# Altium PCB higgs.PcbDoc (part 19 of 25)
Units mm, origin at the board's own origin, x right, y up, seen from the top; angles counter-clockwise.
Board outline 160 x 160 mm, 15 copper layers (TOP, P1(GND), S1(V), P2(GND), S2(H), P3(GND), S3(V12/V2V5), S4(VDDR), P4(GND), S5(V), P5(GND), S6(H), P6(GND), P1(GND) (Plane1), BOT), stack 3.262 mm thick; 1283 components, 2419 nets, 11066 pads, 5487 vias.
Unrouted connection lines stored in the file: 239.
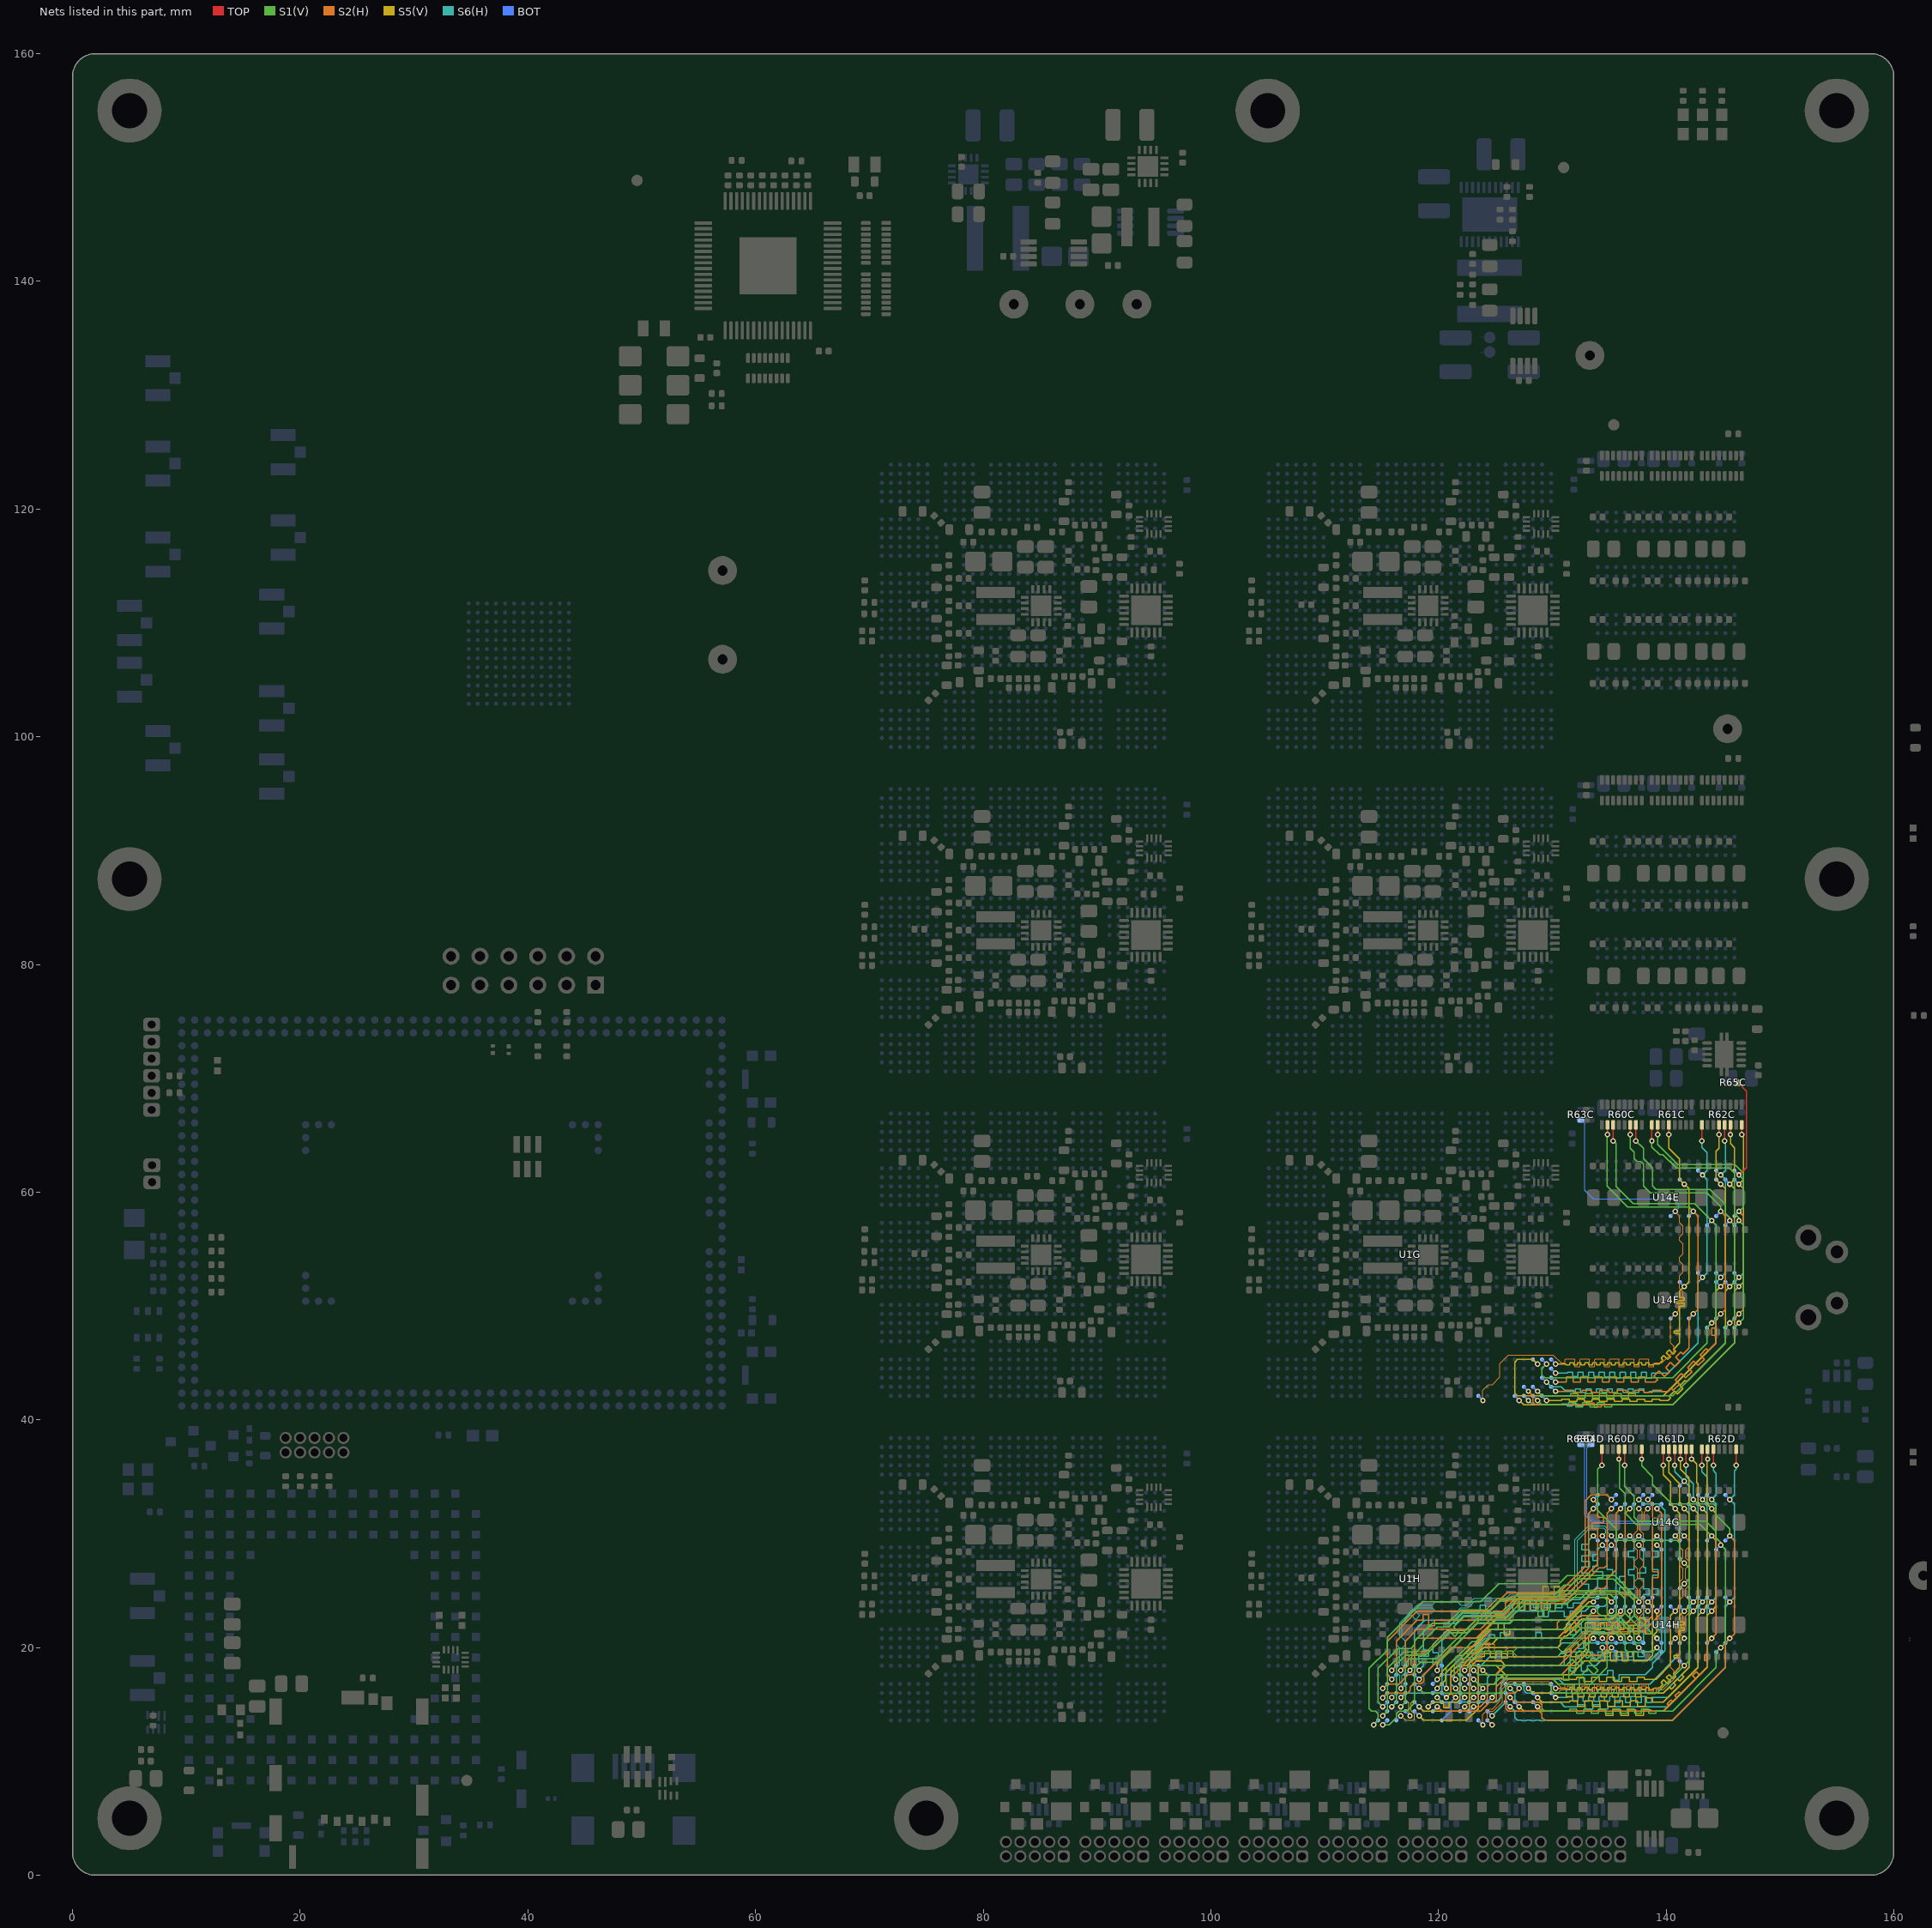
[diagram p32: the nets of this part, all layers, seen from the top]

## Via types
v1: diameter 0.483, hole 0.254, TOP to BOT, tented both sides, 5146 vias
v2: diameter 0.457, hole 0.254, TOP to BOT, tented both sides, 278 vias
v3: diameter 0.5, hole 0.25, TOP to BOT, 50 vias
v4: diameter 0.483/0/0/0/0.483/0/0/0.483 (per signal layer), hole 0.254, TOP to BOT, tented both sides, 7 vias
v5: diameter 0.483, hole 0.254, TOP to BOT, tented bottom, 5 vias
v6: diameter 0.483, hole 0.254, TOP to BOT, 1 vias

## Nets (pads, with @x,y where several pads share a name; then routed paths per layer and width w, separated by ;. In a path a pad name is that pad's centre, name@x,y a point inside that pad or via, vN(x,y) a via of type N, cw(c..) or ccw(c..) an arc to the next point about the centre after c; other vN are vias at no path point) (continued)
IL34_32.TB.G13.C_P: R63C.2 U1G.AD32 U14E.J7 U14F.J7 | length 59.2
  S2(H) w0.089: v1(123.9,41.7) 123.9,42.6 124.403,43.103 124.738,43.103 125.398,43.763 125.398,44.94 126.158,45.7 130.066,45.7 130.766,45 131.125,45 131.125,45.27 131.184,45.33 131.919,45.33 131.978,45.27 131.978,44.67 132.425,44.67 132.425,45.27 132.485,45.33 133.219,45.33 133.279,45.27 133.279,44.67 133.726,44.67 133.726,45.27 133.785,45.33 134.52,45.33 134.579,45.27 134.579,44.67 135.026,44.67 135.026,45.27 135.086,45.33 135.82,45.33 135.88,45.27 135.88,44.67 136.327,44.67 136.327,45.27 136.387,45.33 137.121,45.33 137.181,45.27 137.181,44.67 137.628,44.67 137.628,45.27 137.687,45.33 138.422,45.33 138.481,45.27 138.481,44.67 138.928,44.67 138.928,44.94 138.988,45 139.652,45 140.677,46.025 140.677,46.457 140.4,46.734 140.4,48.9 v1(140.8,49.3) 141.098,49.598 141.098,50.084 141.497,50.482 141.497,50.584 141.499,50.586 141.499,51.236 141.2,51.535 141.2,52.666 141.499,52.964 141.499,53.636 141.2,53.935 141.2,54.266 141.499,54.564 141.499,55.436 141.2,55.734 141.2,56.065 141.499,56.364 141.499,57.036 141.2,57.334 141.2,57.9 v1(140.8,58.3)
  BOT w0.089: R63C.2@132.5,66.355 132.848,66.007 132.848,60.163 133.612,59.4 140.598,59.4 141.098,58.9 141.098,58.598 v1(140.8,58.3) U14E.J7@140.4,57.9 ; U14F.J7@140.4,48.9 v1(140.8,49.3)
  BOT w0.102: U1G.AD32@123.5,42.1 v1(123.9,41.7)
IL34_32.TB.G13.D0_N: R62C.1 U1G.AM29 U14E.M2 U14F.M2 | length 42.9
  TOP w0.102: v1(143.15,64.5) R62C.1@143.15,65.905
  S6(H) w0.102: v1(130.3,44.1) 131.331,44.1 131.331,44.195 131.794,44.195 131.794,43.785 132.257,43.785 132.257,44.195 132.72,44.195 132.72,43.785 133.183,43.785 133.183,44.195 133.646,44.195 133.646,43.785 134.109,43.785 134.109,44.195 134.572,44.195 134.572,43.757 135.035,43.757 135.035,44.195 135.498,44.195 135.498,43.66 135.961,43.66 135.961,44.195 136.424,44.195 136.424,43.66 136.887,43.66 136.887,44.195 137.35,44.195 137.35,43.66 137.813,43.66 137.813,44.195 138.276,44.195 138.276,43.66 138.739,43.66 138.739,44.1 140.166,44.1 142.8,46.734 142.8,52.1 v1(143.2,52.5) 143.6,52.9 143.6,61.1 v1(143.2,61.5) 143.6,61.9 143.6,63.484 143.15,63.934 v1(143.15,64.5)
  BOT w0.102: U1G.AM29@129.9,44.5 v1(130.3,44.1) ; U14F.M2@142.8,52.9 v1(143.2,52.5) ; U14E.M2@142.8,61.9 v1(143.2,61.5)
IL34_32.TB.G13.D0_P: R61C.4 U1G.AM28 U14E.K3 U14F.K3 | length 43.2
  TOP w0.102: v1(140.25,65.05) R61C.4@140.25,65.905
  S5(V) w0.102: v1(130.3,44.9) 131.199,44.9 131.199,44.805 131.532,44.805 131.532,44.995 131.865,44.995 131.865,44.805 132.198,44.805 132.198,44.995 132.531,44.995 132.531,44.805 132.864,44.805 132.864,44.995 133.197,44.995 133.197,44.805 133.53,44.805 133.53,44.995 133.863,44.995 133.863,44.805 134.196,44.805 134.196,44.995 134.529,44.995 134.529,44.805 134.862,44.805 134.862,44.995 135.195,44.995 135.195,44.805 135.528,44.805 135.528,44.995 135.861,44.995 135.861,44.805 136.194,44.805 136.194,44.995 136.527,44.995 136.527,44.805 136.86,44.805 136.86,44.995 137.193,44.995 137.193,44.805 137.526,44.805 137.526,44.995 137.859,44.995 137.859,44.805 138.192,44.805 138.192,44.995 138.525,44.995 138.525,44.805 138.858,44.805 138.858,44.9 139.366,44.9 139.719,45.253 139.554,45.418 139.79,45.654 140.139,45.304 140.375,45.54 140.025,45.889 140.261,46.125 140.61,45.775 140.846,46.011 140.661,46.195 141.2,46.734 141.2,47.592 140.705,47.592 140.705,47.795 141.2,47.795 141.2,49.98 141.58,49.98 141.58,50.233 140.82,50.233 140.82,50.486 141.58,50.486 141.58,50.739 141.2,50.739 141.2,51.3 v1(141.6,51.7) 142,52.1 142,60.3 v1(141.6,60.7) 141.2,61.1 141.2,62.9 140.25,63.85 v1(140.25,65.05)
  BOT w0.102: U1G.AM28@129.9,45.3 v1(130.3,44.9) ; U14F.K3@141.2,52.1 v1(141.6,51.7) ; U14E.K3@141.2,61.1 v1(141.6,60.7)
IL34_32.TB.G13.D1_N: R62C.4 U1G.AK28 U14E.P3 U14F.P3 | length 46.3
  TOP w0.102: v1(144.65,65.05) R62C.4@144.65,65.905
  S5(V) w0.102: v1(128.7,44.9) 128.301,45.299 126.935,45.299 126.701,45.065 126.701,42.335 126.935,42.101 127.699,42.101 ; v1(144.65,65.05) 144.65,63.849 144.4,63.6 144.4,61.6 144.401,61.1 v1(144.801,60.7) 145.201,60.3 145.201,52.1 v1(144.801,51.7) 144.4,51.3 144.4,46.734 139.767,42.1 127.7,42.1 ; 127.699,42.101 127.7,42.1
  BOT w0.102: U1G.AK28@128.3,45.3 v1(128.7,44.9) ; U14F.P3@144.401,52.1 v1(144.801,51.7) ; U14E.P3@144.401,61.1 v1(144.801,60.7)
IL34_32.TB.G13.D1_P: R60C.3 U1G.AL28 U14E.N8 U14F.N8 | length 45.1
  TOP w0.102: v1(135.35,64.5) R60C.3@135.35,65.905
  S1(V) w0.102: v1(129.5,44.9) 129.101,44.501 129.101,43.935 129.335,43.701 130.899,43.701 130.9,43.7 140.566,43.7 143.6,46.734 143.6,48.1 v1(144,48.5) 144.4,48.9 144.4,57.1 v1(144,57.5) 142.496,59.005 137.1,59.005 135.6,60.505 135.6,64.25 v1(135.35,64.5)
  BOT w0.102: U1G.AL28@129.1,45.3 v1(129.5,44.9) ; U14F.N8@143.6,48.1 v1(144,48.5) ; U14E.N8@143.6,57.1 v1(144,57.5)
IL34_32.TB.G13.D2_N: R65C.1 U1G.AJ32 U14E.T2 U14F.T2 | length 47
  TOP w0.102: R65C.1@146.344,69.6 147.074,68.87 147.074,62.174 v1(146.401,61.5)
  S6(H) w0.102: v1(127.9,41.7) 128.3,41.3 130.831,41.3 130.831,41.4 131.294,41.4 131.294,41.2 131.757,41.2 131.757,41.4 132.22,41.4 132.22,41.2 132.683,41.2 132.683,41.3 140.567,41.3 146.001,46.734 146.001,52.1 v1(146.401,52.5) 146.801,52.9 146.801,61.1 v1(146.401,61.5)
  BOT w0.102: U1G.AJ32@127.5,42.1 v1(127.9,41.7) ; U14F.T2@146.001,52.9 v1(146.401,52.5) ; U14E.T2@146.001,61.9 v1(146.401,61.5)
IL34_32.TB.G13.D2_P: R61C.1 U1G.AK32 U14E.T8 U14F.T8 | length 49.4
  TOP w0.102: v1(138.75,64.5) R61C.1@138.75,65.905
  S1(V) w0.102: v1(128.7,41.7) 129.1,41.3 131.416,41.3 131.416,41.49 132.049,41.49 132.049,41.11 132.682,41.11 132.682,41.49 133.315,41.49 133.315,41.11 133.948,41.11 133.948,41.49 134.581,41.49 134.581,41.11 135.214,41.11 135.214,41.3 140.567,41.3 146.001,46.734 146.001,48.1 v1(146.401,48.5) 146.801,48.9 146.801,57.1 v1(146.401,57.5) 146.401,57.734 146.001,58.134 146.001,58.4 146.001,61.666 145.567,62.1 140.9,62.1 139.7,63.3 139.431,63.3 138.75,63.981 v1(138.75,64.5)
  BOT w0.102: U1G.AK32@128.3,42.1 v1(128.7,41.7) ; U14F.T8@146.001,48.1 v1(146.401,48.5) ; U14E.T8@146.001,57.1 v1(146.401,57.5)
IL34_32.TB.G13.D3_N: R62C.5 U1G.AL30 U14E.P2 U14F.P2 | length 42.8
  TOP w0.102: v1(145.15,64.5) R62C.5@145.15,65.905
  S6(H) w0.102: v1(129.5,43.3) 129.9,42.9 130.8,42.9 131.2,42.5 132.031,42.5 132.031,42.71 132.494,42.71 132.494,42.405 132.957,42.405 132.957,42.71 133.42,42.71 133.42,42.405 133.883,42.405 133.883,42.71 134.346,42.71 134.346,42.405 134.809,42.405 134.809,42.71 135.272,42.71 135.272,42.405 135.735,42.405 135.735,42.71 136.198,42.71 136.198,42.405 136.661,42.405 136.661,42.71 137.124,42.71 137.124,42.405 137.587,42.405 137.587,42.71 138.05,42.71 138.05,42.405 138.513,42.405 138.513,42.5 140.167,42.5 144.4,46.734 144.4,52.1 v1(144.801,52.5) 145.201,52.9 145.201,61.1 v1(144.801,61.5) 145.201,61.9 145.201,64.449 v1(145.15,64.5)
  BOT w0.102: U1G.AL30@129.1,43.7 v1(129.5,43.3) ; U14F.P2@144.401,52.9 v1(144.801,52.5) ; U14E.P2@144.401,61.9 v1(144.801,61.5)
IL34_32.TB.G13.D3_P: R60C.2 U1G.AM30 U14E.L7 U14F.L7 | length 49.6
  TOP w0.102: v1(134.85,65.05) R60C.2@134.85,65.905
  S1(V) w0.102: v1@134.799,65.05 134.799,60.535 136.634,58.7 142,58.7 v1(142.4,58.3)
  S2(H) w0.102: v1(130.3,43.3) 131.216,43.3 131.216,43.76 131.849,43.76 131.849,43.3 132.482,43.3 132.482,43.76 133.115,43.76 133.115,43.3 133.748,43.3 133.748,43.76 134.381,43.76 134.381,43.3 135.014,43.3 135.014,43.76 135.647,43.76 135.647,43.3 136.28,43.3 136.28,43.76 136.913,43.76 136.913,43.3 137.546,43.3 137.546,43.76 138.179,43.76 138.179,43.3 139.025,43.3 139.249,43.524 138.924,43.849 139.371,44.297 139.882,43.786 140.329,44.234 140.144,44.419 139.962,44.601 140.41,45.049 140.592,44.867 140.777,44.681 141.225,45.129 141.039,45.314 140.857,45.496 141.305,45.944 141.487,45.762 142,46.275 142,46.875 142,48.9 v1(142.4,49.3) 142.8,49.7 142.8,57.9 v1(142.4,58.3)
  BOT w0.102: U1G.AM30@129.9,43.7 v1(130.3,43.3) ; U14F.L7@142,48.9 v1(142.4,49.3) ; U14E.L7@142,57.9 v1(142.4,58.3)
IL34_32.TB.G13.D4_N: R61C.2 U1G.AJ31 U14E.T7 U14F.T7 | length 49.5
  TOP w0.102: v1(139.25,65.05) R61C.2@139.25,65.905
  S1(V) w0.102: v1@139.3,65.05 139.25,65 139.25,64.181 141.026,62.405 146.062,62.405 146.801,61.666 146.801,58.7 v1(146.401,58.3)
  S2(H) w0.102: v1(127.9,42.5) 128.3,42.1 128.3,41.534 128.534,41.3 133.014,41.3 133.014,41.47 133.677,41.47 133.677,41.13 134.34,41.13 134.34,41.3 140.567,41.3 146.001,46.734 146.001,48.9 v1(146.401,49.3) 146.801,49.7 146.801,57.9 v1(146.401,58.3)
  BOT w0.102: U1G.AJ31@127.5,42.9 v1(127.9,42.5) ; U14F.T7@146.001,48.9 v1(146.401,49.3) ; U14E.T7@146.001,57.9 v1(146.401,58.3)
IL34_32.TB.G13.D4_P: R60C.7 U1G.AK31 U14E.R8 U14F.R8 | length 49.6
  TOP w0.102: v1(137.35,64.5) R60C.7@137.35,65.905
  S1(V) w0.102: v1(128.7,42.5) 129.1,42.1 131.616,42.1 131.616,42.29 132.249,42.29 132.249,41.91 132.882,41.91 132.882,42.29 133.515,42.29 133.515,41.91 134.148,41.91 134.148,42.29 134.781,42.29 134.781,41.91 135.414,41.91 135.414,42.29 136.047,42.29 136.047,41.91 136.68,41.91 136.68,42.29 137.313,42.29 137.313,42.1 140.567,42.1 145.201,46.734 145.201,48.1 v1(145.601,48.5) 146.001,48.9 146.001,57.1 v1(145.601,57.5) 145.601,57.734 145.201,58.134 145.201,58.3 145.201,58.9 143.877,60.224 139.111,60.224 138.8,60.535 138.8,62.135 138,62.935 138,63.85 v1(137.35,64.5)
  BOT w0.102: U1G.AK31@128.3,42.9 v1(128.7,42.5) ; U14F.R8@145.201,48.1 v1(145.601,48.5) ; U14E.R8@145.201,57.1 v1(145.601,57.5)
IL34_32.TB.G13.D5_N: R62C.6 U1G.AL32 U14E.R3 U14F.R3 | length 43
  TOP w0.102: v1(145.65,65.05) R62C.6@145.65,65.905
  S5(V) w0.102: v1(129.5,41.7) 130.831,41.7 130.831,41.795 131.494,41.795 131.494,41.605 132.157,41.605 132.157,41.795 132.82,41.795 132.82,41.605 133.483,41.605 133.483,41.795 134.146,41.795 134.146,41.605 134.809,41.605 134.809,41.795 135.472,41.795 135.472,41.605 136.135,41.605 136.135,41.795 136.798,41.795 136.798,41.605 137.461,41.605 137.461,41.795 138.124,41.795 138.124,41.605 138.787,41.605 138.787,41.795 139.45,41.795 139.45,41.7 140.167,41.7 140.401,41.934 140.274,42.062 140.743,42.531 140.87,42.403 140.997,42.276 141.466,42.745 141.339,42.872 141.211,42.999 141.68,43.468 141.807,43.341 145.201,46.734 145.201,51.3 v1(145.601,51.7) 146.001,52.1 146.001,60.3 v1(145.601,60.7) 146.001,61.1 146.001,63.899 145.65,64.25 v1(145.65,65.05)
  BOT w0.102: U1G.AL32@129.1,42.1 v1(129.5,41.7) ; U14F.R3@145.201,52.1 v1(145.601,51.7) ; U14E.R3@145.201,61.1 v1(145.601,60.7)
IL34_32.TB.G13.D5_P: R60C.6 U1G.AM31 U14E.P7 U14F.P7 | length 49.7
  TOP w0.102: v1(136.85,65.05) R60C.6@136.85,65.905
  S1(V) w0.102: v1@136.9,65.05 136.85,65 136.85,63.85 137.2,63.5 137.2,62.935 137.434,62.7 137.765,62.7 138,62.466 138,60.7 ; 138,60.7 138,60.535 138.615,59.919 143.612,59.919 144.801,58.731 v1(144.801,58.3)
  S2(H) w0.102: v1(130.3,42.5) 131.086,42.5 131.086,42.595 131.859,42.595 131.859,42.405 132.632,42.405 132.632,42.595 133.405,42.595 133.405,42.405 134.178,42.405 134.178,42.595 134.951,42.595 134.951,42.405 135.724,42.405 135.724,42.595 136.497,42.595 136.497,42.405 137.27,42.405 137.27,42.595 138.043,42.595 138.043,42.405 138.816,42.405 138.816,42.595 139.589,42.595 139.589,42.5 140.167,42.5 140.44,42.773 140.624,42.589 141.171,43.135 140.986,43.32 140.802,43.504 141.348,44.051 141.533,43.866 141.718,43.682 142.264,44.229 142.08,44.413 141.895,44.598 142.442,45.144 142.811,44.775 143.357,45.322 142.988,45.691 143.535,46.237 143.719,46.053 144.4,46.734 144.4,46.9 144.401,47.417 144.011,47.417 144.011,48.05 144.401,48.05 144.401,48.9 v1(144.801,49.3) 145.201,49.7 145.201,57.9 v1(144.801,58.3)
  BOT w0.102: U1G.AM31@129.9,42.9 v1(130.3,42.5) ; U14F.P7@144.401,48.9 v1(144.801,49.3) ; U14E.P7@144.401,57.9 v1(144.801,58.3)
IL34_32.TB.G13.D6: R62C.8 U1G.AH32 U14E.T3 U14F.T3 | length 42.9
  TOP w0.102: v1(146.65,65.05) R62C.8@146.65,65.905
  S5(V) w0.102: v1(127.1,41.7) 127.5,41.3 140.567,41.3 146.001,46.734 146.001,51.3 v1(146.401,51.7) 146.801,52.1 146.801,60.3 v1(146.401,60.7) 146.801,61.1 146.801,64.899 v1(146.65,65.05)
  BOT w0.102: U1G.AH32@126.7,42.1 v1(127.1,41.7) ; U14F.T3@146.001,52.1 v1(146.401,51.7) ; U14E.T3@146.001,61.1 v1(146.401,60.7)
IL34_33.LR.G0.D0_N: U1H.P29 U14G.D3 | length 33.2
  S2(H) w0.102: v1@115.1,15.6 115.1,15.583 v1(115.108,15.576) 115.076,15.576 115.502,16.002 117.3,16.002 117.5,16.202 117.5,16.5 117.802,16.802 118.473,16.802 118.707,17.036 118.707,17.366 118.7,17.373 118.7,17.569 121.131,20 122.94,20 124.54,21.6 130.325,21.6 130.505,21.78 130.451,21.835 130.451,22.165 130.685,22.399 131.015,22.399 131.07,22.345 133.925,25.2 134.565,25.2 134.799,25.435 134.799,26 135.6,26.801 135.6,31.8 v1(136,32.2)
  BOT w0.102: v1(115.108,15.576) 115.076,15.576 U1H.P29@115.5,16 ; v1(136,32.2) U14G.D3@136.4,32.6
IL34_33.LR.G0.D0_P: U1H.P28 U14G.C3 | length 32.3
  S2(H) w0.102: v1@115.1,16.4 115.501,16.801 116.544,16.801 117.344,17.601 117.665,17.601 117.9,17.836 117.9,20.566 118.134,20.8 119.5,20.8 123.309,20.8 125.099,22.59 125.918,22.59 126.51,23.182 126.51,23.643 126.752,23.886 130.973,23.886 134.087,27 134.565,27 134.799,27.234 134.799,27.5 ; 134.799,27.5 134.799,31.8 v1(135.199,32.2)
  BOT w0.102: v1(115.108,16.401) 115.101,16.401 U1H.P28@115.5,16.8 ; v1(135.199,32.2) U14G.C3@135.599,32.6
IL34_33.LR.G0.D1_N: U1H.T26 U14G.A2 | length 31.6
  S2(H) w0.102: v1(116.7,18) 117.1,18.4 117.1,20.566 118.134,21.6 123.678,21.6 124.973,22.895 125.792,22.895 126.205,23.308 126.205,23.769 126.626,24.19 130.847,24.19 133.999,27.343 133.999,30.443 133.504,30.443 133.504,30.946 134.495,30.946 134.495,31.449 133.999,31.449 133.999,32.6 v1(133.599,33)
  BOT w0.102: v1(116.7,18) U1H.T26@117.1,18.4 ; v1(133.599,33) U14G.A2@133.999,33.4
IL34_33.LR.G0.D1_P: U1H.R26 U14G.A3 | length 31.1
  S2(H) w0.102: v1(115.9,18) 116.3,18.4 116.3,20.3 116.3,20.566 118.134,22.4 118.651,22.4 118.651,22.895 119.154,22.895 119.154,21.905 119.657,21.905 119.657,22.4 124.047,22.4 124.847,23.2 125.666,23.2 125.9,23.434 125.9,23.895 126.5,24.495 130.721,24.495 133.199,26.974 133.199,31.8 v1(133.599,32.2)
  BOT w0.102: v1(115.9,18) U1H.R26@116.3,18.4 ; v1(133.599,32.2) U14G.A3@133.999,32.6
IL34_33.LR.G0.D2_N: U1H.T27 U14G.A7 | length 32.9
  S6(H) w0.102: v1(117.5,18) 117.9,18.4 117.9,21.5 118.8,22.4 121.4,22.4 122.1,23.1 123.651,23.1 123.651,23.7 124.154,23.7 124.154,23.1 125.569,23.1 126.674,24.205 132.405,24.205 133.199,24.999 133.199,25.552 132.6,25.552 132.6,26.055 133.266,26.055 133.266,26.558 132.6,26.558 132.6,27.061 133.255,27.061 133.255,27.564 132.6,27.564 132.6,28.066 133.255,28.066 133.255,28.569 132.6,28.569 132.6,29.072 133.199,29.072 133.199,29.4 v1(133.599,29.8)
  BOT w0.102: U1H.T27@117.1,17.6 v1(117.5,18) ; v1(133.599,29.8) U14G.A7@133.999,29.4
IL34_33.LR.G0.D2_P: U1H.R27 U14G.C2 | length 33.2
  S2(H) w0.102: v1(115.9,17.2) 115.5,17.6 115.5,20.566 118.134,23.2 124.416,23.2 126.016,24.8 130.594,24.8 132.894,27.1 132.894,32.861 133.434,33.4 134.799,33.4 v1(135.199,33)
  BOT w0.102: v1(115.9,17.2) U1H.R27@116.3,17.6 ; v1(135.199,33) U14G.C2@135.599,33.4
IL34_33.LR.G0.D3_N: U1H.U26 U14G.B8 | length 33
  S6(H) w0.102: v1(118.3,18) 118.7,18.4 118.7,18.743 118.26,18.743 118.26,19.246 119.14,19.246 119.14,19.749 118.7,19.749 118.7,21.366 119.43,22.095 121.526,22.095 122.226,22.795 125.695,22.795 126.8,23.9 128.328,23.9 128.328,23.505 128.831,23.505 128.831,23.9 129.334,23.9 129.334,23.505 129.837,23.505 129.837,23.9 130.34,23.9 130.34,23.505 130.843,23.505 130.843,23.9 131.346,23.9 131.346,23.505 131.849,23.505 131.849,23.9 132.531,23.9 133.999,25.368 133.999,26.137 134.439,26.137 134.439,26.64 133.56,26.64 133.56,27.143 133.999,27.143 133.999,27.646 133.56,27.646 133.56,28.149 133.999,28.149 133.999,28.6 v1(134.399,29)
  BOT w0.102: U1H.U26@117.9,18.4 v1(118.3,18) ; v1(134.399,29) U14G.B8@134.799,28.6
IL34_33.LR.G0.D3_P: U1H.U27 U14G.C8 | length 32.9
  S6(H) w0.102: v1@118.3,17.2 119.5,18.4 119.5,19.046 119.995,19.046 119.995,19.549 119.5,19.549 119.5,20.234 120.866,21.6 122.466,21.6 123.356,22.49 125.821,22.49 126.531,23.2 129.154,23.2 129.154,22.705 129.657,22.705 129.657,23.2 131.054,23.2 131.054,22.705 131.557,22.705 131.557,23.2 132.06,23.2 132.06,22.705 132.563,22.705 132.563,23.2 132.9,23.2 133.3,23.6 134.565,23.6 134.799,23.835 134.799,24.646 134.211,24.646 134.211,25.149 134.799,25.149 134.799,26.346 135.295,26.346 135.295,26.849 134.799,26.849 134.799,28.601 v1(135.199,29)
  BOT w0.102: U1H.U27@117.9,17.6 118.299,17.201 v1(118.308,17.201) ; v1(135.199,29) U14G.C8@135.599,28.6
IL34_33.LR.G0.D4_N: R60D.1 U1H.U28 U14G.K9 U14H.K9 | length 52.8
  TOP w0.102: v1(134.35,36) R60D.1@134.35,37.405
  S1(V) w0.102: v1(118.3,16.4) 118.7,16 125.4,16 125.665,16.001 125.901,16.237 125.901,16.565 126.135,16.799 129.665,16.799 129.901,16.564 129.901,16.235 130.135,16.001 130.799,16.001 ; v1(134.35,36) 133.999,35.649 133.999,32.035 135.6,30.434 135.6,29.634 135.834,29.4 140.8,29.4 ; 140.8,29.4 140.966,29.4 141.2,29.165 141.2,28.9 141.2,27.8 v1(141.6,27.4) 142,27 142,18.8 v1(141.6,18.4) 139.201,16 130.8,16 ; 130.799,16.001 130.8,16
  BOT w0.102: U1H.U28@117.9,16.8 v1(118.3,16.4) ; U14H.K9@141.2,18.8 v1(141.6,18.4) ; U14G.K9@141.2,27.8 v1(141.6,27.4)
IL34_33.LR.G0.D4_P: U1H.T29 U14G.D7 | length 32.6
  S6(H) w0.102: v1@116.7,15.6 117.1,16 120.066,16 120.3,16.234 120.3,18.166 120.3,20.603 120.992,21.295 122.592,21.295 123.482,22.186 126.277,22.186 126.492,22.4 135,22.4 135.6,23 135.6,29.4 v1(136,29.8)
  BOT w0.102: v1@116.708,15.576 116.708,15.608 U1H.T29@117.1,16 ; v1(136,29.8) U14G.D7@136.4,29.4
  other v1: 116.708,15.601
IL34_33.LR.G0.S_N: U1H.T28 U14G.B7 | length 33.5
  S6(H) w0.089: v1@116.7,16.4 116.802,16.502 116.802,17.536 117.1,17.834 117.1,18.166 116.802,18.464 116.802,19.936 117.1,20.234 117.1,20.566 116.8,20.866 116.8,22.1 117.58,22.88 118.011,22.449 118.358,22.796 117.927,23.227 118.198,23.498 119.436,23.498 119.734,23.2 121.666,23.2 121.962,23.497 122.597,23.497 123.2,24.1 126,24.1 126.403,24.503 131.591,24.503 132.2,25.112 132.2,29.41 133.29,30.5 134.498,30.5 134.698,30.3 134.698,30.098 v1(134.399,29.8)
  BOT w0.089: v1@116.733,16.376 116.689,16.376 116.683,16.383 U1H.T28@117.1,16.8 ; v1(134.399,29.8) U14G.B7@134.799,29.4
  other v1: 116.708,16.401
IL34_33.LR.G0.S_P: U1H.R29 U14G.C7 | length 34
  S6(H) w0.089: v1@115.9,15.6 116.3,16 116.3,16.193 116.283,16.21 116.308,16.235 116.308,16.566 116.304,16.57 116.598,16.864 116.598,17.536 116.3,17.834 116.3,18.166 116.598,18.464 116.598,19.936 116.3,20.234 116.3,20.566 116.597,20.862 116.597,22.184 118.114,23.702 119.436,23.702 119.734,24 121.666,24 121.966,23.7 122.513,23.7 123.116,24.303 125.916,24.303 126.319,24.706 131.507,24.706 131.997,25.197 131.997,29.494 132.698,30.195 133.206,30.703 134.582,30.703 134.901,30.384 134.901,30.098 v1(135.199,29.8)
  BOT w0.089: v1(115.908,15.601) 115.908,15.608 U1H.R29@116.3,16 ; v1(135.199,29.8) U14G.C7@135.599,29.4
IL34_33.LR.G1.D0_N: U1H.P30 U14H.H7 | length 35.6
  S1(V) w0.102: v1(115.1,14.8) 114.7,15.2 114.7,18.166 116.449,19.914 117.58,19.914 117.9,20.234 117.9,20.566 119.43,22.095 120.764,22.095 121.983,23.314 124.649,23.314 125.544,24.21 126.469,24.21 126.974,24.714 130.252,24.714 131.043,25.505 131.643,25.505 132.138,26 135.365,26 136.965,24.4 137.2,24.166 137.2,22.8 v1(139.2,20.8)
  BOT w0.102: v1(115.1,14.8) U1H.P30@115.5,15.2 ; v1(139.2,20.8) U14H.H7@139.6,20.4
IL34_33.LR.G1.D0_P: U1H.P31 U14H.F7 | length 33.7
  S1(V) w0.102: v1(115.1,14) 115.5,14.4 115.5,15.404 115.507,15.41 115.507,16.566 115.5,16.573 115.5,18.166 116.944,19.61 118.075,19.61 118.7,20.234 118.7,20.59 119.9,21.79 120.89,21.79 122.11,23.01 125.7,23.01 127.1,24.41 130.379,24.41 130.979,25.01 135.69,25.01 136.4,24.3 136.4,22.991 137.6,21.791 v1(137.6,20.8)
  BOT w0.102: v1(115.1,14) U1H.P31@115.5,14.4 ; v1(137.6,20.8) U14H.F7@138,20.4
IL34_33.LR.G1.D1_N: U1H.T30 U14H.E7 | length 33.1